# KiCad board 8851_HW-U1-VCU118_REV2-0_071417.kicad_pcb (continued)
## Routing (per net, layer and track width the routed paths; a pad name or vN(x,y) marks a point on that pad's centre or on a via; arc(x,y) is an arc through that point) (continued)
SYSCTLR_MODE2: length 22
  TOP w0.15: 18.8,126.94 v6(19.2,126.54) ; 17.2,109.03 v3(16.02,109.03) 15.14,109.03
  05_SIG2 w0.17: v3(16.02,109.03) 18.76,111.78 18.76,115.58 19.16,115.98 19.16,116.74 18.85,117.05 18.85,119 19.59,119.74 19.59,126.15 v6(19.2,126.54)
SYSCTLR_MODE3: length 25.4
  TOP w0.15: 21.16,127.73 v6(21.56,127.33) ; 17.2,110.28 v3(16.02,110.28) 15.14,110.28
  05_SIG2 w0.111: 17.34,125.52 17.34,125.98 17.23,126.1 17.23,126.73 17.43,126.94 17.78,126.94 18.01,127.17 18.01,127.17 18.01,127.5 18.24,127.73 20.93,127.73 20.93,127.73 21.16,127.73 v6(21.56,127.33)
  05_SIG2 w0.17: 17.34,125.52 17.34,118.86 18.12,118.08 18.12,116.17 17.6,115.65 17.6,111.87 v3(16.02,110.28)
SYSCTLR_POR_B: length 49.8
  TOP w0.15: 20.85,122.75 v3(20.85,119.92) 20.85,113.8 ; 19.59,131.66 v6(19.98,131.27)
  03_SIG1 w0.17: v3(32.58,112.12) 32.58,114.5 32.85,114.77 32.85,117.95 31.23,119.58 31.23,120.35 30.31,121.27 22.19,121.27 v3(20.85,119.92)
  07_SIG3 w0.17: v3(20.85,119.92) 21.9,120.97 21.9,122.98 23.43,124.5 23.43,128.18 22.02,129.58 22.02,131.53 21.8,131.75 20.46,131.75 v6(19.98,131.27)
  BOTTOM w0.15: 34.9,110.66 34.41,110.66 33.74,109.99 U128.20 ; 32.04,111.17 32.04,111.71 32.45,112.12 v3(32.58,112.12) 32.58,112.98 32.38,113.18
SYSCTLR_QSPI_IO0: length 43.1
  TOP w0.15: U111.A8 v6(15.26,138.36) ; 21.16,132.45 v6(21.56,132.84)
  05_SIG2 w0.17: v3(16.25,105.42) 20.14,109.32 20.14,115.3 20.74,115.9 20.74,116.89 20.02,117.61 20.02,118.02 21.43,119.42 21.43,123.4 23.25,125.22 23.25,126.62 22.05,127.83 22.05,131.52 21.82,131.75 19.6,131.75 19.44,131.92 19.44,132.17 19.6,132.33 21.39,132.33 21.56,132.5 v6(21.56,132.84)
  14_SIG4 w0.087: v6(21.56,132.84) 22.03,132.37 22.03,130.84 22.2,130.68 v6(22.62,130.68)
  BOTTOM w0.15: R774.1 23.25,131.3 v6(22.62,130.68) ; 15.19,103.73 15.19,104.74 15.5,105.05 15.88,105.05 v3(16.25,105.42)
SYSCTLR_QSPI_IO1: length 46.2
  TOP w0.15: U111.A7 v6(14.47,138.36) ; 21.16,133.24 v6(21.56,133.63)
  05_SIG2 w0.17: v3(22.69,114.62) 22.69,113.93 22.57,113.81 22.2,113.81 22.03,113.98 22.03,115.56 22.42,115.95 22.79,115.95 22.94,116.1 22.94,116.53 22.82,116.66 22.39,116.66 22.24,116.81 22.24,117.14 22.41,117.31 22.66,117.31 23.35,118 23.35,121.1 23.55,121.3 25.2,121.3 25.38,121.47 25.38,121.81 25.2,121.98 24.89,121.98 24.73,122.15 24.73,122.42 25.48,123.18 25.48,123.64 25.31,123.81 24.62,123.81 24.45,123.98 24.45,124.32 24.62,124.49 25.31,124.49 25.48,124.66 25.48,125 25.31,125.17 24.62,125.17 24.45,125.34 24.45,125.68 24.62,125.85 25.21,125.85 25.38,126.02 25.38,126.37 25.17,126.57 24.49,126.57 24.41,126.66 24.41,126.93 24.49,127.01 25.41,127.01 25.5,127.1 25.5,127.36 25.41,127.45 24.49,127.45 24.41,127.53 24.41,127.81 24.5,127.9 25.39,127.9 25.48,127.99 25.48,128.28 25.31,128.45 24.8,128.45 24.62,128.62 24.62,128.96 24.8,129.13 25.33,129.13 25.51,129.31 25.51,129.69 25.4,129.8 24.73,129.8 24.45,130.08 24.45,130.62 24.9,131.08 24.9,131.43 25.12,131.65 26.02,131.65 26.18,131.8 26.18,132.2 25.27,133.1 24.05,133.1 23.08,134.07 21.99,134.07 v6(21.56,133.63)
  14_SIG4 w0.087: v6(22.62,132.3) 22.88,132.55 22.88,133.3 22.54,133.63 v6(21.56,133.63)
  BOTTOM w0.15: v6(22.62,132.3) 22.88,132.55 R773.1 ; 22.69,112.96 v3(22.69,114.62)
SYSCTLR_QSPI_IO2: length 46.7
  TOP w0.15: 19.59,132.45 v6(19.98,132.84)
  05_SIG2 w0.111: 23.26,132.22 23.15,132.33 23.15,133.1 22.7,133.55 22.15,133.55 21.84,133.24 20.38,133.24 v6(19.98,132.84)
  05_SIG2 w0.17: 23.26,132.22 23.39,132.09 24.12,132.09 24.29,131.92 24.29,131.44 23.8,130.95 23.8,128.14 23.86,128.08 23.86,123.66 23.95,123.58 23.95,122.14 23.73,121.92 23,121.92 22.82,122.09 22.82,123.12 22.7,123.25 22.25,123.25 22,123 22,120.38 22.5,119.88 22.5,118.38 22.32,118.2 21.62,118.2 21.32,117.9 21.32,115.65 20.73,115.05 20.73,107.33 v3(22.69,105.37)
  14_SIG4 w0.087: v6(22.62,129.8) 22.32,130.1 21.3,130.1 21.16,130.24 21.16,131.66 v6(19.98,132.84)
  BOTTOM w0.15: 22.69,103.73 v3(22.69,105.37) ; R772.1 22.88,130.05 v6(22.62,129.8)
SYSCTLR_QSPI_IO3: length 51.9
  TOP w0.15: U111.A9 v6(16.83,138.36) ; 21.16,131.66 v6(21.56,131.27)
  03_SIG1 w0.111: 22.2,129.3 21.4,129.3 21.16,129.54 21.16,130.88 v6(21.56,131.27)
  03_SIG1 w0.17: 22.2,129.3 22.84,128.66 J110.1
  05_SIG2 w0.111: 13.69,125.93 13.96,126.2 14.08,126.32 14.08,128.28 14.31,128.51 17,128.51 17.23,128.74 17.23,129.07 17.46,129.3 17.81,129.3 18.01,129.51 18.01,129.88 18.23,130.09 18.57,130.09 18.8,130.32 18.8,130.65 19.03,130.88 21.16,130.88 v6(21.56,131.27)
  05_SIG2 w0.17: v3(13.25,113.8) 13.62,114.17 13.62,115.82 13.38,116.07 13.38,120.88 13.21,121.05 12.3,121.05 12.13,121.22 12.13,121.56 12.3,121.73 13.21,121.73 13.38,121.91 13.38,122.24 13.21,122.41 11.64,122.41 11.43,122.63 11.43,122.97 11.6,123.14 13.21,123.14 13.38,123.31 13.38,123.61 13.16,123.82 11.6,123.82 11.43,123.99 11.43,124.28 11.6,124.45 13.21,124.45 13.38,124.62 13.38,125.62 13.69,125.93
  14_SIG4 w0.087: v3(23.88,134.95) 23.25,134.33 22.18,134.33 21.89,134.04 21.38,134.04 21.16,133.83 21.16,132.41 21.56,132.01 v6(21.56,131.27)
  BOTTOM w0.15: 23.43,133.8 23.43,134.51 v3(23.88,134.95) ; v3(13.25,113.8) 13.38,113.92 13.62,113.92 13.94,113.61 13.94,112.96
  BOTTOM w0.375: v3(24.7,134.75) 24.42,134.47 R776.2
SYSCTLR_QSPI_SCLK: length 39.1
  TOP w0.15: 21.16,130.88 v6(21.56,130.48)
  TOP w0.375: U111.A10 v6(17.62,138.36)
  03_SIG1 w0.17: v6(21.56,130.48) 22.02,130.95 22.02,132.84 22.24,133.05 v6(22.35,133.05)
  05_SIG2 w0.111: v6(21.56,130.48) 21.17,130.09 20.94,130.09 20.93,130.09 19.03,130.09 18.8,129.86 18.8,129.53 18.57,129.3 18.24,129.3 18.01,129.08 18.01,128.74 17.78,128.51 17.44,128.51 17.23,128.3 17.23,127.96 17,127.73 15.1,127.73 14.86,127.5 14.86,126.44 14.86,126.38 14.57,126.09 14.57,125.7
  05_SIG2 w0.17: v3(15.25,105.55) 14.55,106.25 14.55,112.45 14.81,112.71 14.81,114.78 14.47,115.12 14.47,117.32 14.14,117.65 14.14,118.86 14.57,119.29 14.57,125.7
  BOTTOM w0.15: 13.94,103.73 13.94,104.99 14.12,105.17 14.88,105.17 v3(15.25,105.55) ; 22.35,133.86 v6(22.35,133.05)
SYSCTLR_QSPI_SS_B: length 41.8
  TOP w0.15: 21.16,134.81 v6(21.56,135.21)
  TOP w0.375: U111.A5 v6(12.9,138.36)
  05_SIG2 w0.17: v6(21.56,135.21) 22.14,134.62 23.3,134.62 23.98,133.95 25.3,133.95 26.8,132.45 26.8,130.05 27.6,129.25 27.6,124.12 28.32,123.4 28.32,122.45 27.38,121.5 26.35,121.5 25.57,120.72 25.57,119.28 23.56,117.27 23.56,113.16 22.58,112.18 22.58,108.1 22.24,107.76 21.71,107.76 21.44,108.02 v3(21.44,111.17)
  BOTTOM w0.15: 21.44,112.96 v3(21.44,111.17)
SYSCTLR_STAT_LED: length 22.8
  TOP w0.15: Q34.1 R97.1 1.91,133.12 2.25,132.78 3.22,132.78 3.65,132.35 v3(3.65,130.72) ; 15.65,129.3 v6(15.26,128.91)
  03_SIG1 w0.17: v3(3.65,130.72) 5.12,132.2 5.9,132.2 6.38,132.68 6.38,132.98 6.7,133.3 7.78,133.3 9.32,131.76 15.5,131.76 15.86,131.39 15.86,129.51 v6(15.26,128.91)
SYSCTLR_TCK: length 32.6
  TOP w0.15: 16.44,131.66 v6(16.83,131.27) ; 13.09,105.45 10.9,105.45
  TOP w0.375: U111.G9 v6(16.83,133.63)
  07_SIG3 w0.17: 10.9,105.45 12.17,105.45 14.63,107.9 14.63,116.22 15.57,117.16 15.57,118.39 15.19,118.77 15.19,123.92 16.32,125.05 16.32,130.75 v6(16.83,131.27)
SYSCTLR_TDI: length 34.8
  TOP w0.15: U111.L7 v6(14.47,129.69) ; 13.29,133.24 v6(12.9,133.63) ; 13.09,110.45 10.9,110.45
  07_SIG3 w0.111: 9.15,130.09 10.74,130.09 10.93,130.28 10.93,131.45 11.2,131.72 11.53,131.72 12.5,132.7 12.5,133.24 v6(12.9,133.63)
  07_SIG3 w0.17: 10.9,110.45 9.42,110.45 5.09,114.78 5.09,122.88 7.07,124.86 7.07,125.46 6.42,126.1 6.42,127.7 8.81,130.09 9.15,130.09
SYSCTLR_TDO: length 29.9
  TOP w0.15: 13.29,132.45 v6(12.9,132.84) ; 13.09,112.95 10.9,112.95
  07_SIG3 w0.111: v6(12.9,132.84) 12.9,132.6 11.72,131.42 11.72,129.47 11.55,129.3 9.18,129.3
  07_SIG3 w0.17: 10.9,112.95 8.78,112.95 6.53,115.2 6.53,118.38 7.88,119.72 7.88,128.38 8.8,129.3 9.18,129.3
SYSCTLR_TMS: length 31.3
  TOP w0.15: U111.L9 v6(16.83,129.69) ; 13.29,131.66 v6(12.9,131.27) ; 13.09,107.95 10.9,107.95
  07_SIG3 w0.111: 13.14,126.91 13.29,127.06 13.29,130.88 v6(12.9,131.27)
  07_SIG3 w0.17: 10.9,107.95 12.32,107.95 13.1,108.73 13.1,112.52 10.62,115 10.62,117.15 11.43,117.95 12.3,117.95 13.2,118.85 13.2,126.08 13.03,126.25 13.03,126.8 13.14,126.91
SYSCTLR_UART_RX: length 74.9
  TOP w0.15: 20.38,126.94 v6(20.77,126.54)
  07_SIG3 w0.17: v3(20.48,62.57) 20.48,63.99 21.08,64.59 21.08,75.13 22.8,76.85 23.2,77.24 23.2,83.8 21.3,85.7 19.37,85.7 17.97,87.09 17.97,88.16 18.31,88.51 18.31,92.11 18.5,92.3 19.55,92.3 19.75,92.5 19.75,93.2 19.5,93.45 19.07,93.45 18.8,93.73 18.8,113.65 20.32,115.17 20.32,117 19.73,117.6 19.73,118.87 20.27,119.42 20.27,123.52 21.68,124.93 21.68,125.85 21.38,126.15 21.16,126.15 v6(20.77,126.54)
  BOTTOM w0.15: 20.48,63.41 v3(20.48,62.57)
  BOTTOM w0.375: Q56.2 21.27,62.89 v3(21.53,62.62)
SYSCTLR_UART_TX: length 75.4
  TOP w0.15: 19.59,129.3 v6(19.98,128.91) ; U111.C12 v6(19.2,136.78)
  07_SIG3 w0.111: v6(19.98,128.91) 19.59,128.52 19.59,126.19 19.6,126.17
  07_SIG3 w0.17: v3(18.48,62.07) 18.48,62.94 20.41,64.87 20.41,75.41 22.52,77.52 22.52,80.35 22.04,80.84 21.21,80.84 20.17,81.88 20.17,83.84 16.64,87.37 16.64,90.34 17.03,90.73 17.03,115.06 18.11,116.14 18.11,118.2 19.6,119.69 19.6,126.17
  BOTTOM w0.15: 18.48,62.78 v3(18.48,62.07)
  BOTTOM w0.375: Q57.2 v3(19.27,62.07)
SYSCTLR_VREF: length 0.6
  TOP w0.375: U111.H7 v6(14.47,132.84)
SYSMON_AGND: length 2.5
  TOP w0.375: v2(114.41,57.92) 114.9,58.41
  BOTTOM w0.25: 116,57.44 114.88,57.44 v2(114.41,57.92)
SYSMON_SCL: length 282.4
  TOP w0.15: v2(127.2,58.9) 126.71,59.39
  14_SIG4 w0.087: v3(37.82,39.02) 38.61,38.23 38.61,35.42 39.47,34.56 39.47,32.69 39.24,32.46 39.24,32.46 38.95,32.17 38.95,22.97 42.77,19.16 42.77,17.43 45.98,14.22 50.85,14.22 52.34,15.71 65.23,15.71 66.05,14.89 78.42,14.89 79.09,15.55 81.47,15.55 82.83,14.19 86.29,14.19 87.32,15.21 90.58,15.21 91.43,14.36 98.89,14.36 98.9,14.35 99.28,14.35 99.65,14.73 103.53,14.73 103.84,14.41 106.99,14.41 109.05,16.48 113.23,16.48 115.81,19.06 115.81,20.79 115.02,21.59 115.02,27.32 120.72,33.03 120.72,34.6 125.85,39.73 126.03,39.73 127.8,41.5 127.8,44.36 127.76,44.4 127.76,46.65 127.8,46.68 127.8,58.3 v2(127.2,58.9)
  18_SIG6 w0.087: v3(37.82,39.02) 38.44,39.02 38.53,38.93 38.53,38.51 38.42,38.4 35.59,38.4 35.37,38.62 35.37,39.88 35.56,40.07 36.33,40.07 36.47,40.21 36.47,40.72 36.29,40.9 35.54,40.9 35.37,41.07 35.37,55.29 31.92,58.73 31.92,67.18 31.31,67.79 31.3,67.79 31,68.09 31,68.1 30.27,68.83 30.27,84.78 37.25,91.75 38,91.75 44.22,97.97 50.25,97.97 51.77,99.5 51.77,125.02 53.97,127.21 53.97,128.59 54.52,129.15 54.52,138.64 57.26,141.38 57.6,141.38 57.79,141.2 v3(58.91,141.2)
  BOTTOM w0.15: 59.97,141.2 v3(58.91,141.2) 58,141.2 56.89,142.31 55.84,142.31
SYSMON_SDA: length 281.6
  TOP w0.15: 126.71,58.41 v2(127.2,57.92)
  14_SIG4 w0.087: v3(40.26,38.93) 39.65,38.93 39.11,38.38 39.11,35.63 39.97,34.77 39.97,32.49 39.45,31.97 39.45,23.15 43.25,19.35 43.25,17.62 46.19,14.69 50.66,14.69 52.15,16.18 65.42,16.18 66.24,15.35 78.23,15.35 78.9,16.01 81.66,16.01 83.03,14.65 86.1,14.65 87.12,15.68 90.78,15.68 91.62,14.83 99.08,14.83 99.48,15.23 103.7,15.23 104.05,14.88 106.8,14.88 108.86,16.94 113.04,16.94 115.35,19.25 115.35,20.6 114.46,21.49 114.46,27.47 120.23,33.24 120.23,34.83 125.55,40.15 126.04,40.15 127.62,41.73 127.62,44.29 127.59,44.33 127.59,46.72 127.63,46.76 127.63,57.96 127.49,58.09 127.38,58.09 v2(127.2,57.92)
  18_SIG6 w0.087: v3(40.26,38.93) 39.67,38.93 38.68,37.94 35.4,37.94 34.9,38.43 34.9,55.1 31.46,58.54 31.46,66.98 29.81,68.63 29.81,84.97 37.06,92.22 37.8,92.22 44.03,98.44 50.06,98.44 51.31,99.69 51.31,125.21 53.5,127.4 53.5,128.79 54.06,129.34 54.06,138.83 57.07,141.85 57.62,141.85 58.08,142.3 v3(58.91,142.3)
  BOTTOM w0.15: 59.97,142.3 v3(58.91,142.3) 58.07,142.3 57.42,142.95 55.84,142.95
SYSMON_VCCADC: length 3.3
  TOP w0.375: v3(30.45,130.31) 30.38,130.39 30.38,130.96 L60.2 v3(30.87,132.43) ; U111.F7 v6(14.47,134.42)
SYSMON_VN: length 44.1
  TOP w0.102: v2(117.36,57.92) 116.87,58.41
  07_SIG3 w0.092: v2(117.36,57.92) 117.16,58.52 116.71,58.75 116.48,58.71 116.34,58.55 116.34,57.12 116.93,56.53 124.6,56.53 124.81,56.32 124.81,41.82 124.82,41.81 124.82,40.83 124.87,40.78 124.87,40.76
  07_SIG3 w0.133: v3(123.67,36.58) 124.23,36.58 124.31,36.5 124.72,36.5 125.49,37.27 125.49,38.64 124.87,39.26 124.87,40.76
  BOTTOM w0.102: 129.5,31.67 129.95,32.12 129.95,34.38 127.73,36.6 123.7,36.6 v3(123.67,36.58)
SYSMON_VP: length 43.8
  TOP w0.102: v2(115.39,58.9) 115.88,59.39
  07_SIG3 w0.092: 124.6,40.76 124.6,40.78 124.65,40.83 124.65,41.73 124.63,41.75 124.63,56.24 124.52,56.35 116.86,56.35 116.17,57.04 116.17,58.12 v2(115.39,58.9)
  07_SIG3 w0.133: v2(124.32,37.22) 124.32,36.87 124.42,36.77 124.61,36.77 125.22,37.38 125.22,38.53 124.6,39.15 124.6,40.76
  BOTTOM w0.102: 131.75,31.67 130.62,31.67 130.18,32.12 130.18,34.48 127.82,36.83 124.3,36.83 124.2,36.93 124.2,37.1 v2(124.32,37.22)
USB_FLTR: length 13.7
  TOP w0.25: U34.7 14.67,63.97 v3(14.8,63.84) 15.16,64.21 U34.8
  TOP w0.375: 9.87,65.08 9.05,65.08 v3(8.65,65.47) ; v3(14.8,63.84) 15.37,63.84 15.81,63.41 15.81,62.47 ; 7.53,72.17 v3(8.57,72.17) ; C346.1 v3(13.1,62.47)
  BOTTOM w0.375: U131.3 8.88,65.7 v3(8.65,65.47) ; v3(8.93,67.65) 8.93,67.25 9.19,66.98 U131.1 ; 7.47,73.75 8.2,73.75 8.57,73.37 v3(8.57,72.17) 7.53,72.17
USB_JTAG_DATA_N: length 107.6
  TOP w0.13: 23.77,157.1 23.77,157.33 22.18,158.93 20.5,158.93 v3(20.25,159.18) ; v3(5.79,82.99) 5.53,82.72 5.13,82.72 4.92,82.94 4.05,82.94
  14_SIG4 w0.1: v3(5.79,82.99) 5.79,82.79 6.01,82.57 6.22,82.57 6.4,82.75 6.63,82.75 6.82,82.57 6.97,82.57 7.22,82.82 7.41,82.82 7.65,82.57 8.76,82.57 9.83,83.63 9.83,86.42 3.63,92.62 3.63,124.35 5.01,125.73 5.01,138.51 8.4,141.89 8.4,147.73 10.39,149.72 20.31,149.72 21.56,150.96 21.56,159.66 21.37,159.86 20.35,159.86 20.25,159.76 v3(20.25,159.18)
  BOTTOM w0.13: v3(5.79,82.99) 5.79,82.78 5.92,82.65 6.35,82.65 6.83,82.17 7.03,82.17 7.12,82.27 7.48,82.27
USB_JTAG_DATA_P: length 107.6
  TOP w0.13: v3(20,160.3) 22.3,160.3 23.77,161.77 23.77,162.02 ; J106.3 4.9,82.3 5.08,82.47 5.52,82.47 5.72,82.28 v3(5.72,82.17)
  14_SIG4 w0.1: v3(5.72,82.17) 5.89,82.34 8.85,82.34 10.05,83.54 10.05,86.52 3.85,92.71 3.85,124.26 5.24,125.64 5.24,138.41 8.63,141.8 8.63,147.64 10.48,149.49 20.41,149.49 21.78,150.87 21.78,159.76 21.46,160.08 20.22,160.08 v3(20,160.3)
  BOTTOM w0.13: v3(5.72,82.17) 5.72,82.27 5.85,82.4 6.25,82.4 6.72,81.92 7,81.92 7.15,81.78 7.48,81.78
USB_JTAG_FLTR: length 4.6
  TOP w0.375: 7.53,84.8 v3(8.57,84.8)
  BOTTOM w0.375: 7.53,84.8 v3(8.57,84.8) 8.57,86 8.2,86.37 7.47,86.37
USB_JTAG_GND: length 1.2
  TOP w0.375: L94.2 v3(8.88,80.52)
USB_JTAG_VBUS: length 10.3
  TOP w0.3: 5.97,84.8 5.97,84.04 5.67,83.74 v3(5.3,83.74) 5.14,83.58 4.05,83.58
  BOTTOM w0.25: 8.25,81.55 8.25,81.78
  BOTTOM w0.375: v3(5.3,83.74) 4.55,82.99 ; 4.55,82.99 4.55,82.47 5.98,81.04 7.74,81.04 8.25,81.55 ; 4.55,82.99 3.42,82.99
USB_POWERED_VIO: length 8
  TOP w0.2: U34.5 13.44,65.99 13.15,65.69 13.15,65.57 v3(13.18,65.57)
  TOP w0.375: 11.57,65.55 11.57,64.49 v3(11.5,64.42)
  BOTTOM w0.375: v3(9.88,71.83) 9.88,70.92 ; v3(11.5,64.42) 11.5,65.15 11.61,65.26 11.61,65.7 12.45,65.7 12.58,65.57 v3(13.18,65.57) 13.18,65.88 13.52,66.22 14.03,66.22 ; R860.1 v3(9.38,68.55)
USB_UART_CTS: length 207.9
  TOP w0.15: 134.58,63.33 v2(135.08,62.84)
  TOP w0.375: U1.BB22 v2(114.41,46.11)
  05_SIG2 w0.17: v3(19.83,65.53) 20.42,65.53 20.61,65.72 20.61,69.36 20.3,69.67 18.71,69.67 18.5,69.89 18.5,70.41 18.78,70.69 22.34,70.69 22.51,70.52 22.51,69.35 22.68,69.18 23.19,69.18 23.36,69.35 23.36,70.52 23.53,70.69 24.04,70.69 24.21,70.52 24.21,69.35 24.38,69.18 24.89,69.18 25.06,69.35 25.06,70.52 25.23,70.69 25.74,70.69 25.91,70.52 25.91,69.35 26.08,69.18 26.59,69.18 26.76,69.35 26.76,70.52 26.93,70.69 27.44,70.69 27.61,70.52 27.61,69.35 27.78,69.18 28.29,69.18 28.46,69.35 28.46,70.52 28.63,70.69 29.14,70.69 29.31,70.52 29.31,68.62 29.02,68.33 21.75,68.33 21.56,68.14 21.56,67.65 21.73,67.48 29.64,67.48 29.81,67.31 29.81,65.86 29.98,65.69 30.49,65.69 30.66,65.86 30.66,67.31 30.83,67.48 31.34,67.48 31.51,67.31 31.51,65.86 31.68,65.69 32.19,65.69 32.36,65.86 32.36,67.31 32.53,67.48 34.39,67.48 34.75,67.85 34.75,69.67 35.04,69.96 36.63,69.96 38.42,71.76 38.42,72.08 39.06,72.72 41.06,72.72 42.35,71.43 43.41,71.43 43.58,71.6 43.58,72.55 43.75,72.72 44.26,72.72 44.43,72.55 44.43,71.31 44.61,71.13 45.09,71.13 45.28,71.31 45.28,72.55 45.45,72.72 45.96,72.72 46.13,72.55 46.13,70.31 46.37,70.07 46.72,70.07 46.92,70.26 46.92,71.13 47.21,71.43 49.11,71.43 49.97,70.57 49.97,68.46 50.17,68.26 50.65,68.26 50.82,68.43 50.82,70.84 50.99,71.01 51.5,71.01 51.67,70.84 51.67,67.99 51.84,67.82 52.35,67.82 52.52,67.99 52.52,70.84 52.69,71.01 53.2,71.01 53.37,70.84 53.37,67.99 53.54,67.82 54.05,67.82 54.22,67.99 54.22,68.97 54.39,69.14 56.01,69.14 56.18,69.31 56.18,69.82 56.01,69.99 54.39,69.99 54.22,70.16 54.22,70.84 54.39,71.01 55.24,71.01 56.64,72.41 61.74,72.41 64.18,74.86 v3(64.86,74.86)
  BOTTOM w0.111: v2(135.08,62.84) 134.68,62.44 133.84,62.44 133.5,62.11 133.5,61.69 133.27,61.46 132.71,61.46 132.52,61.26 131.54,61.26 131.44,61.36
  BOTTOM w0.15: v3(64.86,74.86) 67.54,72.18 79.34,72.18 80.85,70.67 82.13,70.67 82.55,70.25 82.55,67.47 83.44,66.59 84.47,66.59 85.53,67.65 90.2,67.65 92.5,65.35 110.78,65.35 110.97,65.55 110.97,66.03 111.22,66.28 111.64,66.28 111.95,66.58 111.95,66.97 112.23,67.25 115.72,67.25 116.2,66.78 116.2,66.3 117.15,65.35 126.35,65.35 126.98,64.72 127.49,64.72 127.92,64.28 128.45,64.28 128.66,64.08 128.66,63.58 128.9,63.35 129.38,63.35 129.65,63.07 129.65,62.65 129.96,62.35 130.35,62.35 130.65,62.05 130.65,61.66 130.94,61.36 131.44,61.36 ; v3(19.83,65.53) 20.48,65.53
  BOTTOM w0.375: v3(21.68,66.45) 21.68,65.94 Q54.2
USB_UART_DATA_N: length 17.5
  TOP w0.13: v3(5.79,70.36) 5.69,70.36 5.45,70.12 5.11,70.12 4.92,70.31 4.05,70.31 ; U34.4 13.4,66.48 13.28,66.6 13,66.6 v3(12.75,66.34)
  07_SIG3 w0.135: v3(12.75,66.34) 12.47,66.61 11.17,66.61 10.7,67.08 10.7,68.62 10.05,69.28 7.8,69.28 7.15,68.63 5.57,68.63 4.88,69.32 4.88,69.83 5.14,70.1 5.33,70.1 5.47,70.09 v3(5.79,70.36)
  BOTTOM w0.13: 7.48,69.64 7.12,69.64 7,69.52 6.86,69.52 6.3,70.08 6.08,70.08 v3(5.79,70.36)
USB_UART_DATA_P: length 17.5
  TOP w0.13: v3(12.75,67.11) 13,66.85 13.28,66.85 13.4,66.97 U34.3 ; J4.3 4.92,69.67 5.12,69.88 5.4,69.88 v3(5.72,69.55)
  07_SIG3 w0.135: v3(5.72,69.55) 5.45,69.87 5.32,69.88 5.23,69.88 5.1,69.74 5.1,69.41 5.66,68.85 7.06,68.85 7.71,69.5 10.14,69.5 10.93,68.71 10.93,67.17 11.26,66.84 11.46,66.84 11.58,66.95 11.58,67.23 11.7,67.35 11.87,67.35 11.99,67.23 11.99,66.98 12.13,66.84 12.47,66.84 v3(12.75,67.11)
  BOTTOM w0.13: 7.48,69.15 7.1,69.15 6.98,69.27 6.75,69.27 6.2,69.83 6,69.83 v3(5.72,69.55)
USB_UART_RTS: length 203.9
  TOP w0.15: v2(133.11,66.77) 132.62,66.28
  03_SIG1 w0.17: v3(50.85,16.68) 50.3,17.23 47.5,17.23 46.98,16.7 46,16.7 31.1,31.6 31.1,42.72 30.07,43.75 30.07,67.18 24.07,73.17 18.93,73.17 v3(17.39,71.64)
  16_SIG5 w0.087: v2(133.11,66.77) 132.61,67.27 131.86,67.27 131.63,67.5 131.63,67.99 131.47,68.15 128.85,68.15 128.68,67.98 128.68,67.55 128.39,67.27 128.17,67.27 117.16,67.27 116.17,66.28 115.19,66.28 114.9,65.99 114.9,65.59 114.61,65.3 114.2,65.3 112.93,64.03 112.93,58.7 112.65,58.42 112.23,58.42 111.95,58.14 111.95,39.66 107.67,35.38 107.67,26.03 106.38,24.75 102.81,24.75 101.14,23.08 99.93,23.08 v3(99.1,22.25)
  20_SIG7 w0.087: v3(99.1,22.25) 91.95,22.25 89.53,19.83 79.39,19.83 77.97,18.41 57.2,18.41 55.85,17.05 51.23,17.05 v3(50.85,16.68)
  BOTTOM w0.15: 17.39,70.94 v3(17.39,71.64)
USB_UART_RX: length 205.3
  TOP w0.15: 134.58,62.35 v2(135.08,61.85)
  TOP w0.375: v2(113.42,46.11) U1.BB21
  05_SIG2 w0.17: v3(65.2,73.7) 65.51,74.01 65.51,75.15 65.09,75.57 63.96,75.57 61.48,73.09 56.21,73.09 54.73,71.61 49.96,71.61 48.25,73.32 41.46,73.32 40.95,73.84 38.77,73.84 37.71,72.77 29.45,72.77 29.28,72.94 29.28,73.45 29.45,73.62 35.98,73.62 36.15,73.79 36.15,74.21 35.89,74.47 29.45,74.47 29.28,74.64 29.28,75.15 29.45,75.32 36.37,75.32 36.54,75.49 36.54,76 36.37,76.17 29.45,76.17 29.28,76.34 29.28,76.85 29.45,77.02 38.9,77.02 39.07,77.19 39.07,77.7 38.9,77.87 28.6,77.87 28.43,77.7 28.43,72.94 28.26,72.77 22.02,72.77 21.85,72.94 21.85,74.3 21.68,74.47 19.85,74.47 19.68,74.3 19.68,73.79 19.85,73.62 20.83,73.62 21,73.45 21,72.94 20.83,72.77 15.87,72.77 15.52,72.43 v3(15.52,71.64)
  BOTTOM w0.111: 132.29,60.38 132.62,60.71 132.62,61.05 132.84,61.26 133.35,61.26 133.7,61.61 133.7,62.03 133.92,62.25 134.68,62.25 v2(135.08,61.85)
  BOTTOM w0.15: 15.52,70.94 v3(15.52,71.64) ; 132.29,60.38 130.85,60.38 130.65,60.58 130.65,61.06 130.36,61.35 129.97,61.35 129.66,61.66 129.66,62.05 129.37,62.35 128.97,62.35 128.68,62.64 128.68,63.02 128.37,63.33 127.99,63.33 127.69,63.63 127.69,64.04 127.36,64.38 126.83,64.38 126.23,64.97 116.9,64.97 115.6,66.28 112.24,66.28 111.95,65.99 111.95,65.58 111.22,64.85 91.95,64.85 88.24,61.14 85.18,61.14 84.67,61.65 83.72,61.65 83.32,62.05 83.32,65.83 82.09,67.06 82.09,68.78 80.1,70.78 68.12,70.78 v3(65.2,73.7)
USB_UART_TX: length 181.4
  TOP w0.15: v2(132.12,66.77) 131.63,66.28
  05_SIG2 w0.17: v3(32.66,69.62) 31.62,69.62 29.6,71.65 18.61,71.65 17.86,70.89 14.39,70.89 v3(13.64,71.64)
  14_SIG4 w0.087: v2(119.33,41.18) 117.43,41.18 116.81,41.8 116.81,43.31 117.15,43.64 117.6,43.64 117.85,43.89 117.85,45.34 118.13,45.62 118.55,45.62 118.84,45.9 118.84,50.25 119.12,50.53 119.14,50.53 119.14,50.53 120.56,50.53 120.81,50.78 120.81,51.24 121.07,51.5 121.09,51.5 121.1,51.51 121.62,51.51 121.79,51.68 121.79,61.04 121.8,61.05 121.8,61.07 122.08,61.35 122.48,61.35 122.48,61.35 122.58,61.35 122.78,61.55 122.78,62.13 123,62.35 123.5,62.35 123.75,62.6 123.75,63.1 123.97,63.33 124.47,63.33 124.75,63.6 124.75,64.1 124.97,64.33 125.19,64.33 125.73,64.86 125.73,66.99 126.02,67.28 131.62,67.28 v2(132.12,66.77)
  BOTTOM w0.15: v2(119.33,41.18) 84.14,41.18 81.38,38.42 37.28,38.42 36,39.7 36,60.82 33.46,63.36 33.46,65.05 30.82,67.68 30.82,68.97 31.48,69.62 v3(32.66,69.62) ; 13.64,70.94 v3(13.64,71.64)
USB_VBUS: length 10.3
  TOP w0.3: v3(5.3,71.12) 5.67,71.12 5.97,71.42 5.97,72.17
  TOP w0.375: 4.05,70.95 5.14,70.95 v3(5.3,71.12)
  BOTTOM w0.25: 8.25,69.15 8.25,68.92
  BOTTOM w0.375: 8.25,68.92 7.74,68.41 5.96,68.41 4.59,69.79 4.59,70.37 4.55,70.37 ; 4.55,70.37 3.42,70.37 ; 4.55,70.37 v3(5.3,71.12)
USB_VBUS_GND: length 1.1
  TOP w0.375: L35.2 v3(7.68,66.8)
USER_SI570_0_CLOCK_SCL: length 371.8
  18_SIG6 w0.087: v3(58.59,143.25) 58.59,143.25 58.87,143.53 59.48,143.53 60.15,144.2 60.15,144.58 60.15,146.83 57.14,149.84 52.09,149.84 51.26,149.01 51.26,146.99 49.34,145.07 47.92,145.07 46.81,143.96 44.14,143.96 43.08,142.9 43.08,131.15 43.77,130.45 43.77,128.6 42.35,127.17 38.92,127.17 33.94,122.19 33.94,120.25 29.24,115.55 29.24,112.99 28.01,111.76 23.39,111.76 13.25,101.62 13.25,87.9 14.2,86.95 14.2,73.82 15.54,72.49 18.44,72.49 20.39,70.53 20.39,65.98 20.39,65.98 20.39,65.42 20.39,65.42 20.39,65.25 22.64,63 24.68,63 27.44,60.24 27.44,24.2 32.32,19.32 42.28,19.32 42.78,18.81 42.78,16.95 45.72,14 50.85,14 51.98,15.13 72.34,15.13 72.93,14.54 77.2,14.54 78.85,16.19 90.78,16.19 91.15,16.56 109.25,16.56 111.41,14.4 114.97,14.4 115.23,14.67 118.69,14.67 118.82,14.54 123.85,14.54 125.14,15.83 127.72,15.83 128,16.1 128.62,16.73 133.63,16.73 135.83,18.93 137.13,18.93 138.12,17.94 138.12,15.5 139.8,13.82 149.75,13.82 151.03,15.11 158.01,15.11 159.89,16.99 167.26,16.99 171.38,21.1 177.51,21.1 182,16.61 194.09,16.61 194.39,16.31 195.76,16.31 196.3,15.78 196.85,15.78 197.74,16.67 200.17,16.67 201.41,17.91 v3(202.07,17.91)
  BOTTOM w0.15: U18.8 v3(202.07,17.91) ; 59.97,143.41 58.75,143.41 v3(58.59,143.25) 58.24,143.59 55.84,143.59
USER_SI570_0_CLOCK_SDA: length 370.7
  18_SIG6 w0.087: v3(199.23,17.91) 199.23,19.09 199.6,19.46 200.41,19.46 200.83,19.05 200.83,17.98 199.97,17.13 196.2,17.13 195.85,16.77 194.6,16.77 194.3,17.08 182.19,17.08 177.67,21.6 171.07,21.6 166.92,17.45 159.69,17.45 157.81,15.57 150.83,15.57 149.55,14.29 139.99,14.29 138.58,15.69 138.58,18.13 137.32,19.39 135.64,19.39 135.37,19.12 133.44,17.19 128.43,17.19 127.53,16.3 124.95,16.3 123.66,15.01 119.01,15.01 118.88,15.13 115.04,15.13 114.77,14.86 111.6,14.86 109.44,17.03 90.96,17.03 90.58,16.65 78.62,16.65 76.97,15 73.12,15 72.53,15.59 51.79,15.59 50.66,14.47 45.91,14.47 43.24,17.14 43.24,19.01 42.47,19.78 32.51,19.78 27.9,24.39 27.9,60.44 24.88,63.46 22.83,63.46 20.85,65.45 20.85,70.73 18.63,72.95 15.73,72.95 14.66,74.02 14.66,87.15 13.71,88.09 13.71,101.43 23.58,111.3 28.2,111.3 29.7,112.8 29.7,115.35 34.4,120.05 34.4,122 39.12,126.71 42.54,126.71 44.24,128.41 44.24,130.64 43.62,131.26 43.62,141.72 44.35,142.45 44.35,142.93 44.92,143.5 47,143.5 48.11,144.61 49.53,144.61 51.72,146.8 51.72,148.82 52.28,149.38 56.95,149.38 59.69,146.63 59.69,144.39 59.29,143.99 59,143.99 58.91,144.08 v3(58.91,144.51)
  BOTTOM w0.15: U18.7 v3(199.23,17.91) ; 59.97,144.51 v3(58.91,144.51) 58.63,144.23 55.84,144.23
USER_SI570_1_CLOCK_SCL: length 229.8
  TOP w0.15: R604.2 50.71,141.99 v3(51.55,141.15) ; 112.69,27.41 112.69,28.54 v3(112.17,29.06)
  07_SIG3 w0.17: v3(42.6,39.17) 42.69,39.27 42.69,40.47 42.98,40.76 42.98,43.98 31.64,55.32 31.64,65.31 29.67,67.28 29.67,72.54 35.38,78.24 36.82,78.24 42.53,83.95 43.97,83.95 51.85,91.83 51.85,112.75 51.5,113.1 51.5,125.43 50.63,126.3 50.63,130.82 48.91,132.54 48.91,138.19 49.56,138.83 49.56,140.23 50.38,141.05 51.45,141.05 v3(51.55,141.15)
  14_SIG4 w0.087: v3(112.17,29.06) 113.76,27.47 113.76,23.04 109.81,19.09 109.53,19.09 109.15,19.09 109.15,19.09 108.37,19.09 105.76,16.48 99.79,16.48 99.36,16.91 91.39,16.91 90.77,16.29 87.06,16.29 86.88,16.48 78.38,16.48 78.1,16.76 73.57,16.76 72.94,16.14 66.11,16.14 65.61,16.64 52.26,16.64 51.55,17.35 48.03,17.35 47.07,16.39 45.18,16.39 43.73,17.85 43.73,19.68 42.67,20.73 42.67,33.15 42.7,33.17 42.7,33.8 42.67,33.83 42.67,36.05 42.71,36.09 42.71,39.06 v3(42.6,39.17)
  BOTTOM w0.15: v3(51.55,141.15) 51.43,141.03 50.09,141.03
USER_SI570_1_CLOCK_SDA: length 229.1
  TOP w0.15: 112.69,21.81 112.69,23.56 v3(112.42,23.83) ; v3(51.52,140.43) 51.33,140.62 R603.2
  07_SIG3 w0.17: v3(51.52,140.43) 51.45,140.5 50.6,140.5 50.14,140.05 50.14,138.59 49.46,137.91 49.46,132.76 51.17,131.05 51.17,126.53 52.05,125.65 52.05,113.32 52.4,112.98 52.4,91.61 44.19,83.4 42.81,83.4 37.06,77.65 35.62,77.65 30.26,72.29 30.26,67.46 32.18,65.54 32.18,55.55 43.53,44.21 43.53,40.54 43.24,40.25 43.24,39.49 v3(43.52,39.2)
  14_SIG4 w0.087: v3(43.52,39.2) 43.34,39.01 43.34,38.68 43.42,38.59 44.43,38.59 44.52,38.51 44.52,38.33 44.43,38.24 43.42,38.24 43.34,38.16 43.34,37.98 43.42,37.89 44.31,37.89 44.4,37.81 44.4,37.64 44.31,37.55 43.43,37.55 43.34,37.46 43.34,37.28 43.42,37.19 44.15,37.19 44.24,37.11 44.24,36.93 44.15,36.84 43.42,36.84 43.34,36.76 43.34,36.58 43.42,36.49 44.15,36.49 44.24,36.41 44.24,36.23 44.15,36.14 43.42,36.14 43.34,36.06 43.34,36.05 43.2,35.91 43.2,35.9 43.15,35.85 43.15,34.03 43.17,34 43.17,32.98 43.15,32.95 43.15,20.93 44.2,19.88 44.2,18.05 45.4,16.85 46.88,16.85 47.88,17.85 51.7,17.85 52.46,17.1 65.8,17.1 66.3,16.6 72.75,16.6 73.38,17.23 78.29,17.23 78.58,16.94 87.09,16.94 87.28,16.75 90.58,16.75 91.2,17.38 99.55,17.38 99.98,16.94 105.57,16.94 108.18,19.55 109.61,19.55 113.02,22.96 113.02,23.51 112.71,23.83 v3(112.42,23.83)